# Altium PCB Shuttler_AFE.PcbDoc (part 1 of 5) (continued)
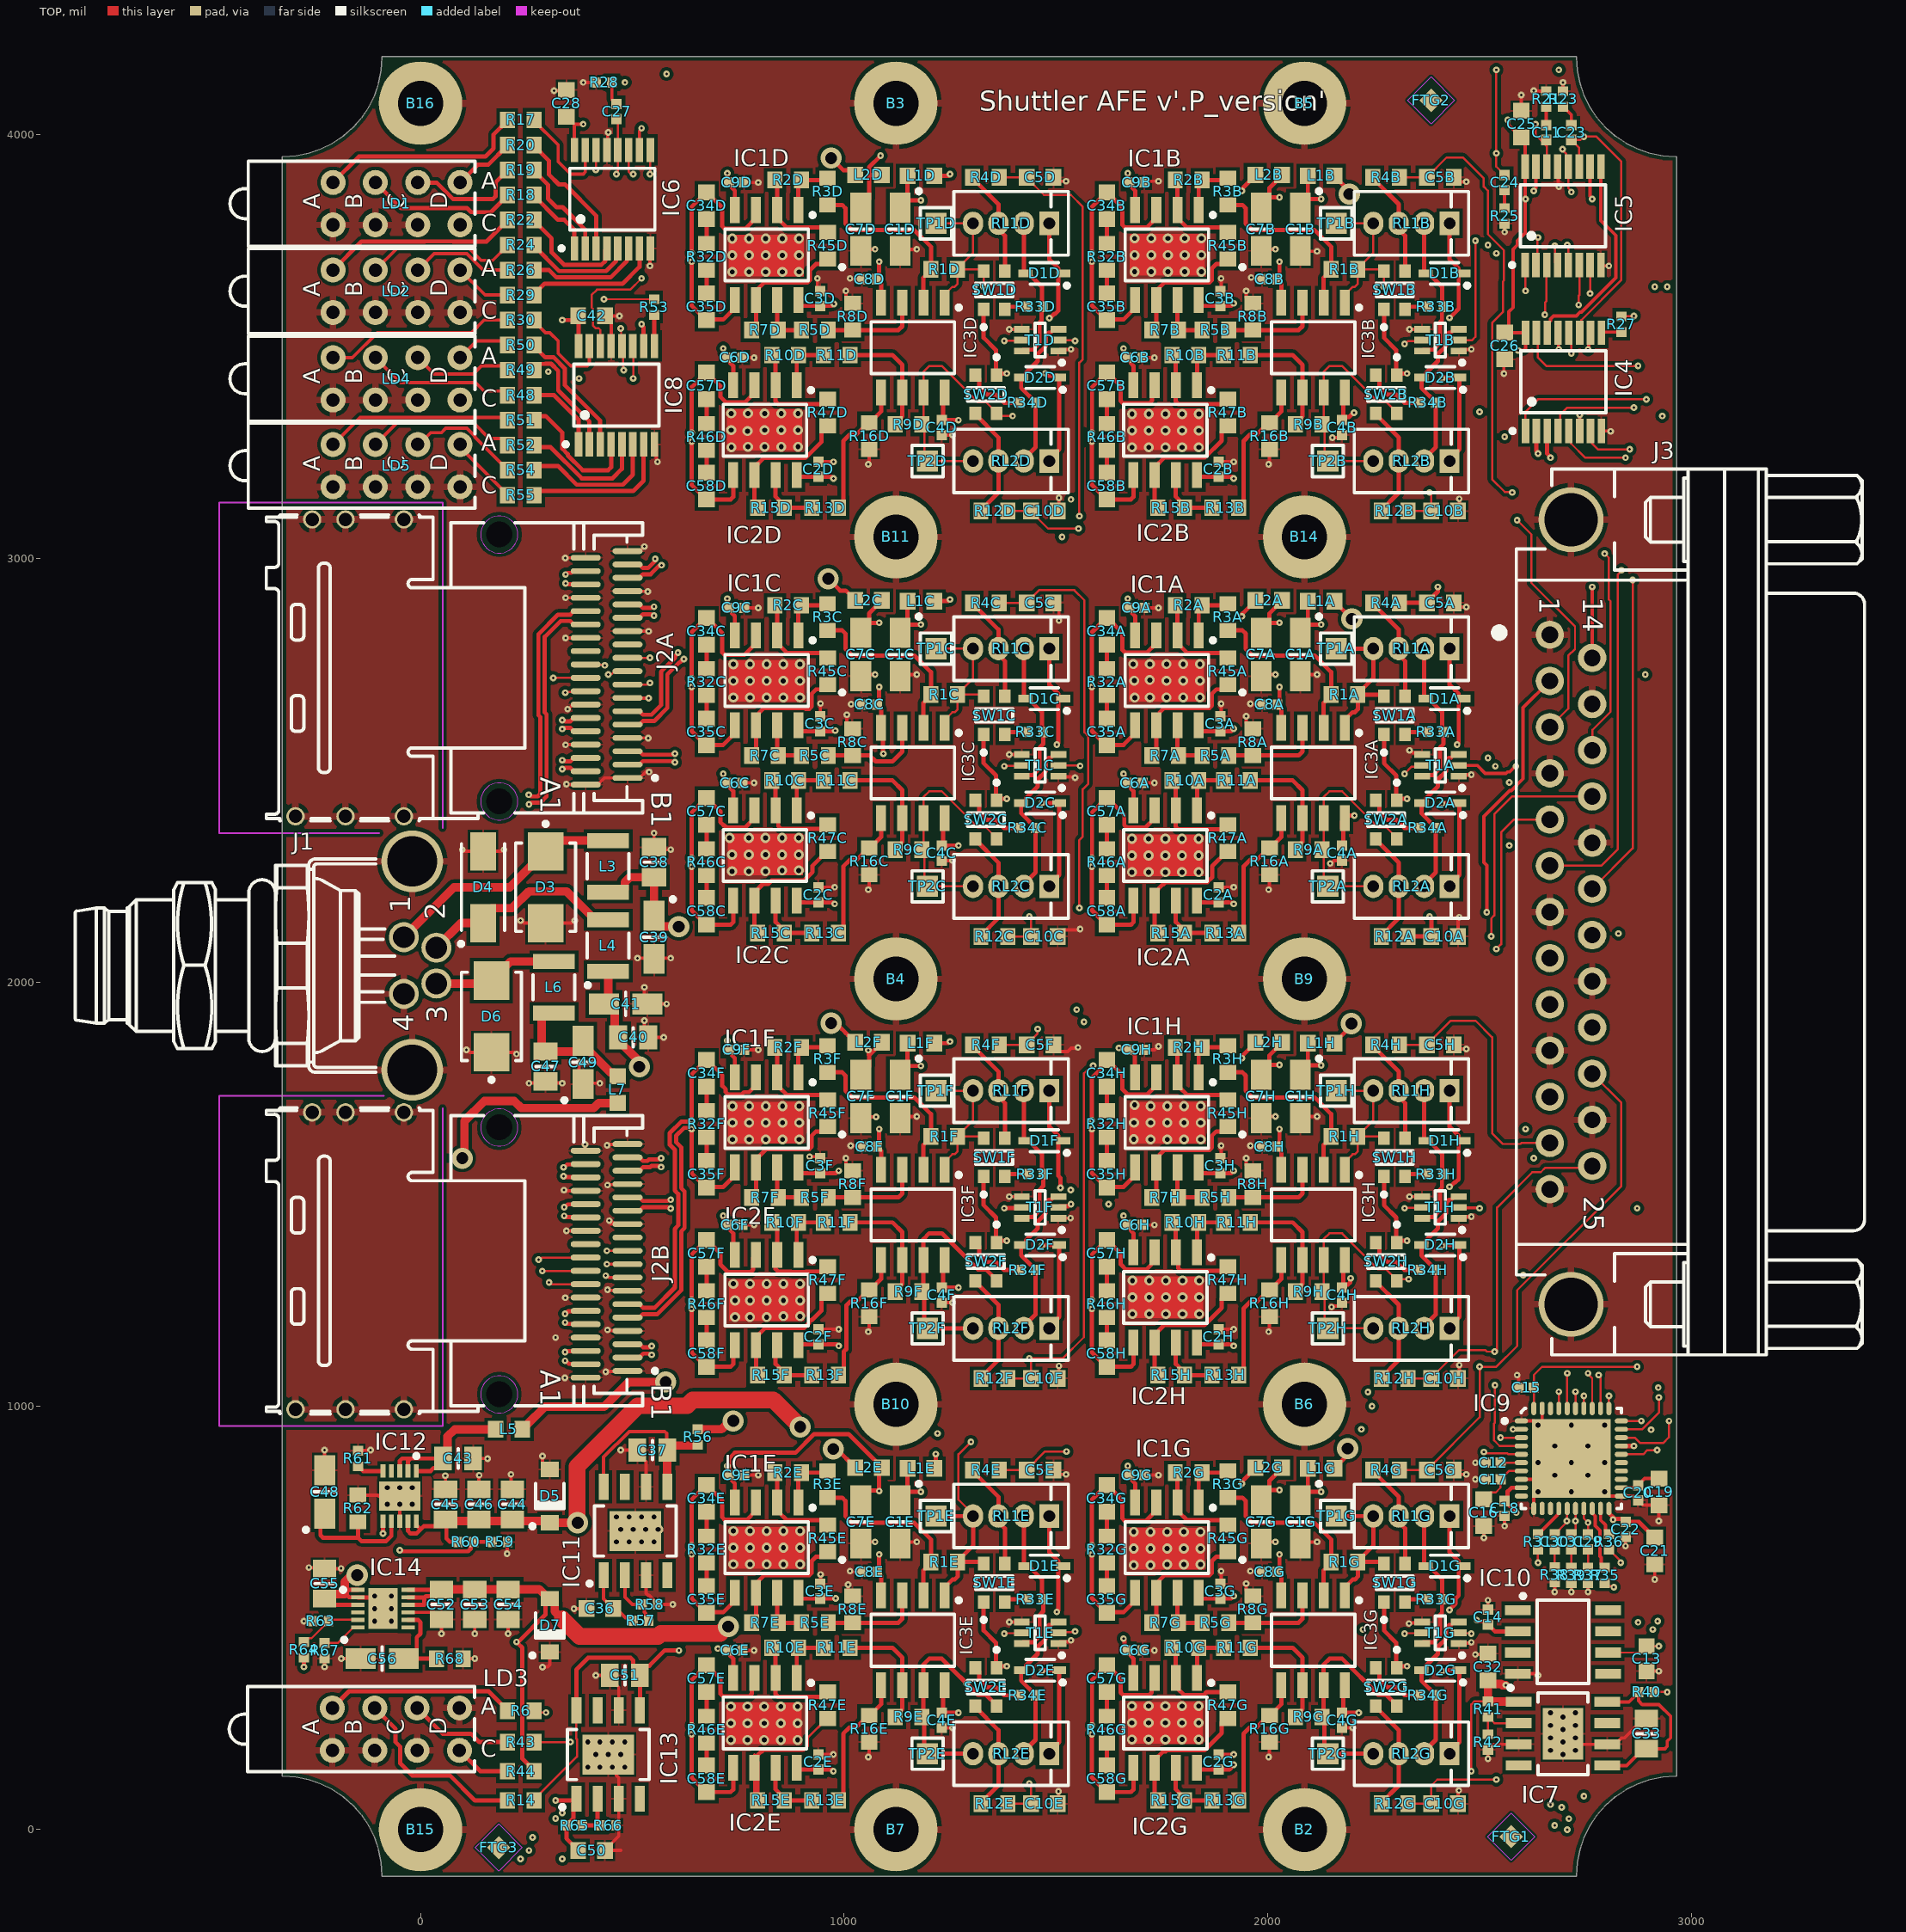
[diagram p0: TOP view]
## Design rules (kind name [scope] priority, off if disabled: settings) (continued)
RoomDefinition U_SAS_Connectors1 [InComponentClass('U_SAS_Connectors1')] p12 off: confinementstyle=ConfineIn formatcopy=TRUE lockcomponents=FALSE outline -334.65,423.23 688.98,423.23 688.98,1289.37 -334.65,1289.37
RoomDefinition U_SAS_Connectors0 [InComponentClass('U_SAS_Connectors0')] p13 off: confinementstyle=ConfineIn formatcopy=TRUE lockcomponents=FALSE outline -334.65,2155.51 688.98,2155.51 688.98,3179.13 -334.65,3179.13
RoomDefinition Shuttler_AFE [InComponentClass('Shuttler_AFE')] p14 off: confinementstyle=ConfineIn formatcopy=TRUE lockcomponents=FALSE outline -334.65,1368.11 649.61,1368.11 649.61,2116.14 -334.65,2116.14
RoutingCorners [All] p1 off: cornerstyle=45-Degree minsetback=100 maxsetback=100
RoutingLayers [All] p1 off: top layer_v5=TRUE mid layer 1_v5=TRUE mid layer 2_v5=TRUE bottom layer_v5=TRUE
RoutingVias [All] p1: holewidth=5.91 width=15.75 viastyle="Through Hole" minholewidth=5.91 minwidth=15.75 maxholewidth=118.11 maxwidth=196.85 useviatemplates=TRUE viatemplateguid#1={14382ADC-C440-4ECF-B6A1-4F4E94502E2F} viatemplateguid#2={11532FBD-C677-4D88-B90D-A9404A40E9A0} viatemplateguid#3={7C3AD214-D58C-44EE-9A76-51E03581B4CD} viatemplatename#1=v40h15m0mx0 viatemplatename#2=v60h30m0mx0 viatemplatename#3=v127h71m0mx0
ShortCircuit SMA_1 [InPadClass('SMA')] p2: allowed=TRUE
SilkToSilkClearance [All] p1 off: silktosilkclearance=2
SilkToSolderMaskClearance SilkscreenOverComponentPads [IsPad] p1 off: minsilkscreentomaskgap=2 clearancetoexposedcopper=TRUE
SolderMaskExpansion [All] p1: expansion=4 istentingtop=FALSE
ViasUnderSMD ViasUnderSMD_allow [InComponent('IC1A')   or InComponent('IC1B') or        InComponent('IC1C')   or InComponent('IC1D') or InComponent('IC6')   or InComponent('IC7') or InComponent('IC9')   or InComponent('IC10') or InComponent('IC11')   or InComponent('IC12') or InComponent('IC15A')     or InComponent('IC15B') or InComponent('IC15C') or InComponent('IC15D')  or InComponent('IC16')  or InComponent('IC3')                or InComponent('IC14')      or InComponent('IC13')] p1: allowed=TRUE
ViasUnderSMD [All] p2: allowed=FALSE
Width [All] p1: maxlimit=78.74 minlimit=4 preferedwidth=10 minimp=45.000000 maximp=110.000000 favimp=100.000000 checkconnectedcopper=TRUE
9 further rules are at their usual default settings.

## Classes and differential pairs
component class U_AFE_Supply: C38 C39 C40 C41 C43 C44 C45 C46 C47 C48 C49 C50 C51 C52 C53 C54 C55 C56 D3 D4 D5 D6 D7 IC12 IC13 IC14 J1 L3 L4 L5 L6 L7 R59 R60 R61 R62 R63 R64 R65 R66 R67 R68
net class REL_CTRL[15..0]: REL_CTRL0 REL_CTRL1 REL_CTRL2 REL_CTRL3 REL_CTRL4 REL_CTRL5 REL_CTRL6 REL_CTRL7 REL_CTRL8 REL_CTRL9 REL_CTRL10 REL_CTRL11 REL_CTRL12 REL_CTRL13 REL_CTRL14 REL_CTRL15
net class ADC_CH[15..0]: ADC_CH0 ADC_CH1 ADC_CH2 ADC_CH3 ADC_CH4 ADC_CH5 ADC_CH6 ADC_CH7 ADC_CH8 ADC_CH9 ADC_CH10 ADC_CH11 ADC_CH12 ADC_CH13 ADC_CH14 ADC_CH15
component class U_ADC: C12 C13 C14 C15 C16 C17 C18 C19 C20 C21 C22 C29 C30 C31 C32 C33 C36 C37 IC7 IC9 IC10 IC11 R31 R35 R36 R37 R38 R39 R40 R41 R42 R56 R57 R58
channel class Shuttler_AFE_SAS_CON: U_SAS_Connectors0 U_SAS_Connectors1
channel class Shuttler_AFE_Channel: U_Shuttler_AFE_Channel0 U_Shuttler_AFE_Channel1 U_Shuttler_AFE_Channel2 U_Shuttler_AFE_Channel3 U_Shuttler_AFE_Channel4 U_Shuttler_AFE_Channel5 U_Shuttler_AFE_Channel6 U_Shuttler_AFE_Channel7
net class AFE0_CTRL_[15..0]: AFE0_CTRL_0 AFE0_CTRL_1 AFE0_CTRL_2 AFE0_CTRL_3 AFE0_CTRL_4 AFE0_CTRL_5 AFE0_CTRL_6 AFE0_CTRL_7 AFE0_CTRL_8 AFE0_CTRL_9 AFE0_CTRL_10 AFE0_CTRL_11 AFE0_CTRL_12 AFE0_CTRL_13 AFE0_CTRL_14 AFE0_CTRL_15
component class U_Shuttler_AFE_Channel7: C1H C2H C3H C4H C5H C6H C7H C8H C9H C10H C34H C35H C57H C58H D1H D2H IC1H IC2H IC3H L1H L2H R1H R2H R3H R4H R5H R7H R8H R9H R10H R11H R12H R13H R15H R16H R32H R33H R34H R45H R46H R47H RL1H RL2H SW1H SW2H T1H TP1H TP2H
component class U_Shuttler_AFE_Channel6: C1G C2G C3G C4G C5G C6G C7G C8G C9G C10G C34G C35G C57G C58G D1G D2G IC1G IC2G IC3G L1G L2G R1G R2G R3G R4G R5G R7G R8G R9G R10G R11G R12G R13G R15G R16G R32G R33G R34G R45G R46G R47G RL1G RL2G SW1G SW2G T1G TP1G TP2G
component class U_Shuttler_AFE_Channel5: C1F C2F C3F C4F C5F C6F C7F C8F C9F C10F C34F C35F C57F C58F D1F D2F IC1F IC2F IC3F L1F L2F R1F R2F R3F R4F R5F R7F R8F R9F R10F R11F R12F R13F R15F R16F R32F R33F R34F R45F R46F R47F RL1F RL2F SW1F SW2F T1F TP1F TP2F
component class U_Shuttler_AFE_Channel4: C1E C2E C3E C4E C5E C6E C7E C8E C9E C10E C34E C35E C57E C58E D1E D2E IC1E IC2E IC3E L1E L2E R1E R2E R3E R4E R5E R7E R8E R9E R10E R11E R12E R13E R15E R16E R32E R33E R34E R45E R46E R47E RL1E RL2E SW1E SW2E T1E TP1E TP2E
component class U_Shuttler_AFE_Channel3: C1D C2D C3D C4D C5D C6D C7D C8D C9D C10D C34D C35D C57D C58D D1D D2D IC1D IC2D IC3D L1D L2D R1D R2D R3D R4D R5D R7D R8D R9D R10D R11D R12D R13D R15D R16D R32D R33D R34D R45D R46D R47D RL1D RL2D SW1D SW2D T1D TP1D TP2D
component class U_Shuttler_AFE_Channel2: C1C C2C C3C C4C C5C C6C C7C C8C C9C C10C C34C C35C C57C C58C D1C D2C IC1C IC2C IC3C L1C L2C R1C R2C R3C R4C R5C R7C R8C R9C R10C R11C R12C R13C R15C R16C R32C R33C R34C R45C R46C R47C RL1C RL2C SW1C SW2C T1C TP1C TP2C
component class U_Shuttler_AFE_Channel1: C1B C2B C3B C4B C5B C6B C7B C8B C9B C10B C34B C35B C57B C58B D1B D2B IC1B IC2B IC3B L1B L2B R1B R2B R3B R4B R5B R7B R8B R9B R10B R11B R12B R13B R15B R16B R32B R33B R34B R45B R46B R47B RL1B RL2B SW1B SW2B T1B TP1B TP2B
component class U_Shuttler_AFE_Channel0: C1A C2A C3A C4A C5A C6A C7A C8A C9A C10A C34A C35A C57A C58A D1A D2A IC1A IC2A IC3A L1A L2A R1A R2A R3A R4A R5A R7A R8A R9A R10A R11A R12A R13A R15A R16A R32A R33A R34A R45A R46A R47A RL1A RL2A SW1A SW2A T1A TP1A TP2A
component class U_SAS_Connectors1: J2B
component class U_SAS_Connectors0: J2A
component class U_AFE_CTRL_Logic0: C11 C23 C24 C25 C26 C27 C28 C42 IC4 IC5 IC6 IC8 LD1 LD2 LD4 LD5 R17 R18 R19 R20 R21 R22 R23 R24 R25 R26 R27 R28 R29 R30 R48 R49 R50 R51 R52 R53 R54 R55
component class Shuttler_AFE: B2 B3 B4 B5 B6 B7 B9 B10 B11 B14 B15 B16 FTG1 FTG2 FTG3 J3 LD3 R6 R14 R43 R44
pad class Direc: J3-37 J3-38
pad class SMA: J7-2
differential pair AOUT7B: +AOUT7B_P -AOUT7B_N
differential pair AOUT7A: +AOUT7A_P -AOUT7A_N
differential pair AOUT5B: +AOUT5B_P -AOUT5B_N
differential pair AOUT5A: +AOUT5A_P -AOUT5A_N
differential pair AOUT3B: +AOUT3B_P -AOUT3B_N
differential pair AOUT3A: +AOUT3A_P -AOUT3A_N
differential pair AOUT1B: +AOUT1B_P -AOUT1B_N
differential pair AOUT1A: +AOUT1A_P -AOUT1A_N
differential pair AOUT6B: +AOUT6B_P -AOUT6B_N
differential pair AOUT6A: +AOUT6A_P -AOUT6A_N
differential pair AOUT4B: +AOUT4B_P -AOUT4B_N
differential pair AOUT4A: +AOUT4A_P -AOUT4A_N
differential pair AOUT2B: +AOUT2B_P -AOUT2B_N
differential pair AOUT2A: +AOUT2A_P -AOUT2A_N
differential pair AOUT0B: +AOUT0B_P -AOUT0B_N
differential pair AOUT0A: +AOUT0A_P -AOUT0A_N

## Components (designator, comment, footprint, x,y, rotation, side; value= is the part's Value field where it differs from the comment)
B2 "Plated Hole" MTG270_500 2086.61,0 r0 top
B3 "Plated Hole" MTG270_500 1122.05,4074.8 r0 top
B4 "Plated Hole" MTG270_500 1122.05,2007.87 r0 top
B5 "Plated Hole" MTG270_500 2086.61,4074.8 r0 top
B6 "Plated Hole" MTG270_500 2086.61,1003.94 r0 top
B7 "Plated Hole" MTG270_500 1122.05,0 r0 top
B9 "Plated Hole" MTG270_500 2086.61,2007.87 r0 top
B10 "Plated Hole" MTG270_500 1122.05,1003.94 r0 top
B11 "Plated Hole" MTG270_500 1122.05,3051.18 r0 top
B14 "Plated Hole" MTG270_500 2086.61,3051.18 r0 top
B15 "Plated Hole" MTG270_500 0,0 r90 top
B16 "Plated Hole" MTG270_500 0,4074.8 r90 top
C1A "10uF" CAPMP3216X180N 2076.77,2773.62 r270 top (schematic designator C1)
C1B "10uF" CAPMP3216X180N 2076.77,3777.56 r270 top (schematic designator C1)
C1C "10uF" CAPMP3216X180N 1131.88,2773.62 r270 top (schematic designator C1)
C1D "10uF" CAPMP3216X180N 1131.88,3777.56 r270 top (schematic designator C1)
C1E "10uF" CAPMP3216X180N 1131.88,726.38 r270 top (schematic designator C1)
C1F "10uF" CAPMP3216X180N 1131.88,1730.31 r270 top (schematic designator C1)
C1G "10uF" CAPMP3216X180N 2076.77,726.38 r270 top (schematic designator C1)
C1H "10uF" CAPMP3216X180N 2076.77,1730.31 r270 top (schematic designator C1)
C2A "10nF" CAPC1005X55N 1883.85,2206.69 r90 top (schematic designator C2)
C2B "10nF" CAPC1005X55N 1883.85,3210.63 r90 top (schematic designator C2)
C2C "10nF" CAPC1005X55N 938.97,2206.69 r90 top (schematic designator C2)
C2D "10nF" CAPC1005X55N 938.97,3210.63 r90 top (schematic designator C2)
C2E "10nF" CAPC1005X55N 938.97,159.45 r90 top (schematic designator C2)
C2F "10nF" CAPC1005X55N 938.97,1163.39 r90 top (schematic designator C2)
C2G "10nF" CAPC1005X55N 1883.85,159.45 r90 top (schematic designator C2)
C2H "10nF" CAPC1005X55N 1883.85,1163.39 r90 top (schematic designator C2)
C3A "10nF" CAPC1005X55N 1887.79,2610.24 r90 top (schematic designator C3)
C3B "10nF" CAPC1005X55N 1887.79,3614.17 r90 top (schematic designator C3)
C3C "10nF" CAPC1005X55N 942.91,2610.24 r90 top (schematic designator C3)
C3D "10nF" CAPC1005X55N 942.91,3614.17 r90 top (schematic designator C3)
C3E "10nF" CAPC1005X55N 942.91,562.99 r90 top (schematic designator C3)
C3F "10nF" CAPC1005X55N 942.91,1566.93 r90 top (schematic designator C3)
C3G "10nF" CAPC1005X55N 1887.79,562.99 r90 top (schematic designator C3)
C3H "10nF" CAPC1005X55N 1887.79,1566.93 r90 top (schematic designator C3)
C4A "100nF" CAPC1005X55N 2175.2,2305.12 r270 top (schematic designator C4)
C4B "100nF" CAPC1005X55N 2175.2,3309.06 r270 top (schematic designator C4)
C4C "100nF" CAPC1005X55N 1230.32,2305.12 r270 top (schematic designator C4)
C4D "100nF" CAPC1005X55N 1230.32,3309.06 r270 top (schematic designator C4)
C4E "100nF" CAPC1005X55N 1230.32,257.87 r270 top (schematic designator C4)
C4F "100nF" CAPC1005X55N 1230.32,1261.81 r270 top (schematic designator C4)
C4G "100nF" CAPC1005X55N 2175.2,257.87 r270 top (schematic designator C4)
C4H "100nF" CAPC1005X55N 2175.2,1261.81 r270 top (schematic designator C4)
C5A "47pF" CAPC1608X87N 2407.48,2895.67 r180 top (schematic designator C5)
C5B "47pF" CAPC1608X87N 2407.48,3899.61 r180 top (schematic designator C5)
C5C "47pF" CAPC1608X87N 1462.6,2895.67 r180 top (schematic designator C5)
C5D "47pF" CAPC1608X87N 1462.6,3899.61 r180 top (schematic designator C5)
C5E "47pF" CAPC1608X87N 1462.6,848.43 r180 top (schematic designator C5)
C5F "47pF" CAPC1608X87N 1462.6,1852.36 r180 top (schematic designator C5)
C5G "47pF" CAPC1608X87N 2407.48,848.43 r180 top (schematic designator C5)
C5H "47pF" CAPC1608X87N 2407.48,1852.36 r180 top (schematic designator C5)
C6A "10nF" CAPC1005X55N 1687.01,2470.47 r0 top (schematic designator C6)
C6B "10nF" CAPC1005X55N 1687.01,3474.41 r0 top (schematic designator C6)
C6C "10nF" CAPC1005X55N 742.13,2470.47 r0 top (schematic designator C6)
C6D "10nF" CAPC1005X55N 742.13,3474.41 r0 top (schematic designator C6)
C6E "10nF" CAPC1005X55N 742.13,423.23 r0 top (schematic designator C6)
C6F "10nF" CAPC1005X55N 742.13,1427.17 r0 top (schematic designator C6)
C6G "10nF" CAPC1005X55N 1687.01,423.23 r0 top (schematic designator C6)
C6H "10nF" CAPC1005X55N 1687.01,1427.17 r0 top (schematic designator C6)
C7A "10uF" CAPMP3216X180N 1984.25,2773.62 r90 top (schematic designator C7)
C7B "10uF" CAPMP3216X180N 1984.25,3777.56 r90 top (schematic designator C7)
C7C "10uF" CAPMP3216X180N 1039.37,2773.62 r90 top (schematic designator C7)
C7D "10uF" CAPMP3216X180N 1039.37,3777.56 r90 top (schematic designator C7)
C7E "10uF" CAPMP3216X180N 1039.37,726.38 r90 top (schematic designator C7)
C7F "10uF" CAPMP3216X180N 1039.37,1730.31 r90 top (schematic designator C7)
C7G "10uF" CAPMP3216X180N 1984.25,726.38 r90 top (schematic designator C7)
C7H "10uF" CAPMP3216X180N 1984.25,1730.31 r90 top (schematic designator C7)
C8A "100nF" CAPC1005X55N 2004.13,2655.51 r180 top (schematic designator C8)
C8B "100nF" CAPC1005X55N 2004.13,3659.45 r180 top (schematic designator C8)
C8C "100nF" CAPC1005X55N 1059.24,2655.51 r180 top (schematic designator C8)
C8D "100nF" CAPC1005X55N 1059.24,3659.45 r180 top (schematic designator C8)
C8E "100nF" CAPC1005X55N 1059.24,608.27 r180 top (schematic designator C8)
C8F "100nF" CAPC1005X55N 1059.24,1612.2 r180 top (schematic designator C8)
C8G "100nF" CAPC1005X55N 2004.13,608.27 r180 top (schematic designator C8)
C8H "100nF" CAPC1005X55N 2004.13,1612.2 r180 top (schematic designator C8)
C9A "10nF" CAPC1005X55N 1690.94,2883.86 r0 top (schematic designator C9)
C9B "10nF" CAPC1005X55N 1690.94,3887.8 r0 top (schematic designator C9)
C9C "10nF" CAPC1005X55N 746.06,2883.86 r0 top (schematic designator C9)
C9D "10nF" CAPC1005X55N 746.06,3887.8 r0 top (schematic designator C9)
C9E "10nF" CAPC1005X55N 746.06,836.61 r0 top (schematic designator C9)
C9F "10nF" CAPC1005X55N 746.06,1840.55 r0 top (schematic designator C9)
C9G "10nF" CAPC1005X55N 1690.94,836.61 r0 top (schematic designator C9)
C9H "10nF" CAPC1005X55N 1690.94,1840.55 r0 top (schematic designator C9)
C10A "47pF" CAPC1608X87N 2417.32,2108.27 r180 top (schematic designator C10)
C10B "47pF" CAPC1608X87N 2417.32,3112.2 r180 top (schematic designator C10)
C10C "47pF" CAPC1608X87N 1472.44,2108.27 r180 top (schematic designator C10)
C10D "47pF" CAPC1608X87N 1472.44,3112.2 r180 top (schematic designator C10)
C10E "47pF" CAPC1608X87N 1472.44,61.02 r180 top (schematic designator C10)
C10F "47pF" CAPC1608X87N 1472.44,1064.96 r180 top (schematic designator C10)
C10G "47pF" CAPC1608X87N 2417.32,61.02 r180 top (schematic designator C10)
C10H "47pF" CAPC1608X87N 2417.32,1064.96 r180 top (schematic designator C10)
C11 "100pF" CAPC1005X55N 2657.48,4005.91 r270 top
C12 "100nF" CAPC1005X55N 2531.5,866.14 r180 top
C13 "4.7uF" CAPC1608X90N 2893.7,403.54 r90 top
C14 "100nF" CAPC1005X55N 2519.69,501.97 r90 top
C15 "100nF" CAPC1005X55N 2610.24,1043.31 r180 top
C16 "1uF" CAPC1608X87N 2509.84,748.03 r90 top
C17 "100nF" CAPC1005X55N 2531.5,826.77 r180 top
C18 "100nF" CAPC1005X55N 2559.06,757.87 r270 top
C19 "1uF" CAPC1608X87N 2923.23,797.24 r90 top
C20 "100nF" CAPC1005X55N 2874.02,795.28 r270 top
C21 "1uF" CAPC1608X87N 2913.39,657.48 r90 top
C22 "100nF" CAPC1005X55N 2844.49,708.66 r270 top
C23 "100pF" CAPC1005X55N 2716.54,4005.91 r270 top
C24 "100pF" CAPC1005X55N 2559.06,3887.8 r90 top
C25 "1uF" CAPC1608X87N 2598.43,4025.59 r270 top
C26 "1uF" CAPC1608X87N 2559.06,3501.97 r90 top
C27 "100pF" CAPC1005X55N 462.6,4055.12 r270 top
C28 "1uF" CAPC1608X87N 344.49,4074.8 r270 top
C29 "100pF" CAPC1005X55N 2755.91,679.13 r90 top
C30 "100pF" CAPC1005X55N 2677.17,679.13 r90 top
C31 "100pF" CAPC1005X55N 2716.54,679.13 r90 top
C32 "1uF" CAPC1608X87N 2519.69,383.86 r270 top
C33 "10uF" CAPC2012X135N 2893.7,226.38 r90 top
C34A "1.5nF" CAPC1608X87N 1620.08,2828.74 r90 top (schematic designator C34)
C34B "1.5nF" CAPC1608X87N 1620.08,3832.68 r90 top (schematic designator C34)
C34C "1.5nF" CAPC1608X87N 675.2,2828.74 r90 top (schematic designator C34)
C34D "1.5nF" CAPC1608X87N 675.2,3832.68 r90 top (schematic designator C34)
C34E "1.5nF" CAPC1608X87N 675.2,781.5 r90 top (schematic designator C34)
C34F "1.5nF" CAPC1608X87N 675.2,1785.43 r90 top (schematic designator C34)
C34G "1.5nF" CAPC1608X87N 1620.08,781.5 r90 top (schematic designator C34)
C34H "1.5nF" CAPC1608X87N 1620.08,1785.43 r90 top (schematic designator C34)
C35A "1.5nF" CAPC1608X87N 1620.08,2590.55 r90 top (schematic designator C35)
C35B "1.5nF" CAPC1608X87N 1620.08,3594.49 r90 top (schematic designator C35)
C35C "1.5nF" CAPC1608X87N 675.2,2590.55 r90 top (schematic designator C35)
C35D "1.5nF" CAPC1608X87N 675.2,3594.49 r90 top (schematic designator C35)
C35E "1.5nF" CAPC1608X87N 675.2,543.31 r90 top (schematic designator C35)
C35F "1.5nF" CAPC1608X87N 675.2,1547.24 r90 top (schematic designator C35)
C35G "1.5nF" CAPC1608X87N 1620.08,543.31 r90 top (schematic designator C35)
C35H "1.5nF" CAPC1608X87N 1620.08,1547.24 r90 top (schematic designator C35)
C36 "1uF" CAPC1608X87N 423.23,521.65 r0 top
C37 "10uF" CAPC2012X135N 547.24,895.67 r180 top
C38 "10uF" CAPC2012X95N 551.18,2283.46 r270 top
C39 "10uF" CAPMP3216X180N 551.18,2106.3 r270 top
C40 "10uF" CAPC2012X95N 501.97,1870.08 r180 top
C41 "10uF" CAPMP3216X180N 484.25,1948.82 r0 top
C42 "1uF" CAPC1608X87N 403.54,3572.83 r180 top
C43 "22uF" CAPC2012X135N 88.58,875.98 r180 top
C44 "22uF" CAPC2012X135N 216.54,767.72 r270 top
C45 "22uF" CAPC2012X135N 59.06,767.72 r270 top
C46 "22uF" CAPC2012X135N 137.8,767.72 r270 top
C47 "10uF" CAPC2012X95N 295.28,1801.18 r90 top
C48 "10uF" CAPMP3216X180N -226.38,797.24 r90 top
C49 "10uF" CAPMP3216X180N 383.86,1811.02 r90 top
C50 "1uF" CAPC1608X87N 403.54,-49.21 r180 top
C51 "10uF" CAPC2012X135N 482.28,364.17 r180 top
C52 "22uF" CAPC2012X135N 49.21,531.5 r90 top
C53 "22uF" CAPC2012X135N 127.95,531.5 r90 top
C54 "22uF" CAPC2012X135N 206.69,531.5 r90 top
C55 "22uF" CAPC2012X135N -226.38,580.71 r270 top
C56 "10uF" CAPMP3216X180N -90.55,403.54 r0 top
C57A "1.5nF" CAPC1608X87N 1620.08,2403.54 r90 top (schematic designator C57)
C57B "1.5nF" CAPC1608X87N 1620.08,3407.48 r90 top (schematic designator C57)
C57C "1.5nF" CAPC1608X87N 675.2,2403.54 r90 top (schematic designator C57)
C57D "1.5nF" CAPC1608X87N 675.2,3407.48 r90 top (schematic designator C57)
C57E "1.5nF" CAPC1608X87N 675.2,356.3 r90 top (schematic designator C57)
C57F "1.5nF" CAPC1608X87N 675.2,1360.24 r90 top (schematic designator C57)
C57G "1.5nF" CAPC1608X87N 1620.08,356.3 r90 top (schematic designator C57)
C57H "1.5nF" CAPC1608X87N 1620.08,1360.24 r90 top (schematic designator C57)
C58A "1.5nF" CAPC1608X87N 1620.08,2167.32 r90 top (schematic designator C58)
C58B "1.5nF" CAPC1608X87N 1620.08,3171.26 r90 top (schematic designator C58)
C58C "1.5nF" CAPC1608X87N 675.2,2167.32 r90 top (schematic designator C58)
C58D "1.5nF" CAPC1608X87N 675.2,3171.26 r90 top (schematic designator C58)
C58E "1.5nF" CAPC1608X87N 675.2,120.08 r90 top (schematic designator C58)
C58F "1.5nF" CAPC1608X87N 675.2,1124.02 r90 top (schematic designator C58)
C58G "1.5nF" CAPC1608X87N 1620.08,120.08 r90 top (schematic designator C58)
C58H "1.5nF" CAPC1608X87N 1620.08,1124.02 r90 top (schematic designator C58)
D1A "1N4148WS" SODFL2512X100N 2417.32,2669.29 r180 top (schematic designator D1)
D1B "1N4148WS" SODFL2512X100N 2417.32,3673.23 r180 top (schematic designator D1)
D1C "1N4148WS" SODFL2512X100N 1472.44,2669.29 r180 top (schematic designator D1)
D1D "1N4148WS" SODFL2512X100N 1472.44,3673.23 r180 top (schematic designator D1)
D1E "1N4148WS" SODFL2512X100N 1472.44,622.05 r180 top (schematic designator D1)
D1F "1N4148WS" SODFL2512X100N 1472.44,1625.98 r180 top (schematic designator D1)
D1G "1N4148WS" SODFL2512X100N 2417.32,622.05 r180 top (schematic designator D1)
D1H "1N4148WS" SODFL2512X100N 2417.32,1625.98 r180 top (schematic designator D1)
D2A "1N4148WS" SODFL2512X100N 2407.48,2423.23 r180 top (schematic designator D2)
D2B "1N4148WS" SODFL2512X100N 2407.48,3427.17 r180 top (schematic designator D2)
D2C "1N4148WS" SODFL2512X100N 1462.6,2423.23 r180 top (schematic designator D2)
D2D "1N4148WS" SODFL2512X100N 1462.6,3427.17 r180 top (schematic designator D2)
D2E "1N4148WS" SODFL2512X100N 1462.6,375.98 r180 top (schematic designator D2)
D2F "1N4148WS" SODFL2512X100N 1462.6,1379.92 r180 top (schematic designator D2)
D2G "1N4148WS" SODFL2512X100N 2407.48,375.98 r180 top (schematic designator D2)
D2H "1N4148WS" SODFL2512X100N 2407.48,1379.92 r180 top (schematic designator D2)
D3 "SMBJ20A" DIOM5336X265N 295.28,2224.41 r270 top
D4 "SMAJ5.0A" DIOM5226X262N 147.64,2224.41 r90 top
D5 "PMEG6020ER" SODFL3517X110N 305.12,787.4 r90 top
D6 "SMBJ20A" DIOM5336X265N 167.32,1919.29 r90 top
D7 "PMEG6020ER" SODFL3517X110N 305.12,482.28 r90 top
FTG1 "Use only in PCB" FIDUCIAL_TOP_S100-200 2574.35,-16.57 r90 top
FTG2 "Use only in PCB" FIDUCIAL_TOP_S100-200 2385.35,4081.43 r90 top
FTG3 "Use only in PCB" FIDUCIAL_TOP_S100-200 184.35,-42.57 r90 top
IC1A "LM6172IM/NOPB" SOIC127P600X175-8N 1761.81,2712.6 r270 top (schematic designator IC1)
IC1B "LM6172IM/NOPB" SOIC127P600X175-8N 1761.81,3716.54 r270 top (schematic designator IC1)
IC1C "LM6172IM/NOPB" SOIC127P600X175-8N 816.92,2712.6 r270 top (schematic designator IC1)
IC1D "LM6172IM/NOPB" SOIC127P600X175-8N 816.92,3716.54 r270 top (schematic designator IC1)
IC1E "LM6172IM/NOPB" SOIC127P600X175-8N 816.92,665.35 r270 top (schematic designator IC1)
IC1F "LM6172IM/NOPB" SOIC127P600X175-8N 816.92,1669.29 r270 top (schematic designator IC1)
IC1G "LM6172IM/NOPB" SOIC127P600X175-8N 1761.81,665.35 r270 top (schematic designator IC1)
IC1H "LM6172IM/NOPB" SOIC127P600X175-8N 1761.81,1669.29 r270 top (schematic designator IC1)
IC2A "LM6172IM/NOPB" SOIC127P600X175-8N 1757.87,2299.21 r270 top (schematic designator IC2)
IC2B "LM6172IM/NOPB" SOIC127P600X175-8N 1757.87,3303.15 r270 top (schematic designator IC2)